# Altium PCB STM32MINI.PcbDoc (part 2 of 3)
Units mm, origin at the board's own origin, x right, y up, seen from the top; angles counter-clockwise.
Board outline 100.33 x 100 mm, 2 copper layers (Top Layer, Bottom Layer); 81 components, 96 nets, 408 pads, 94 vias.
Unrouted connection lines stored in the file: 4.
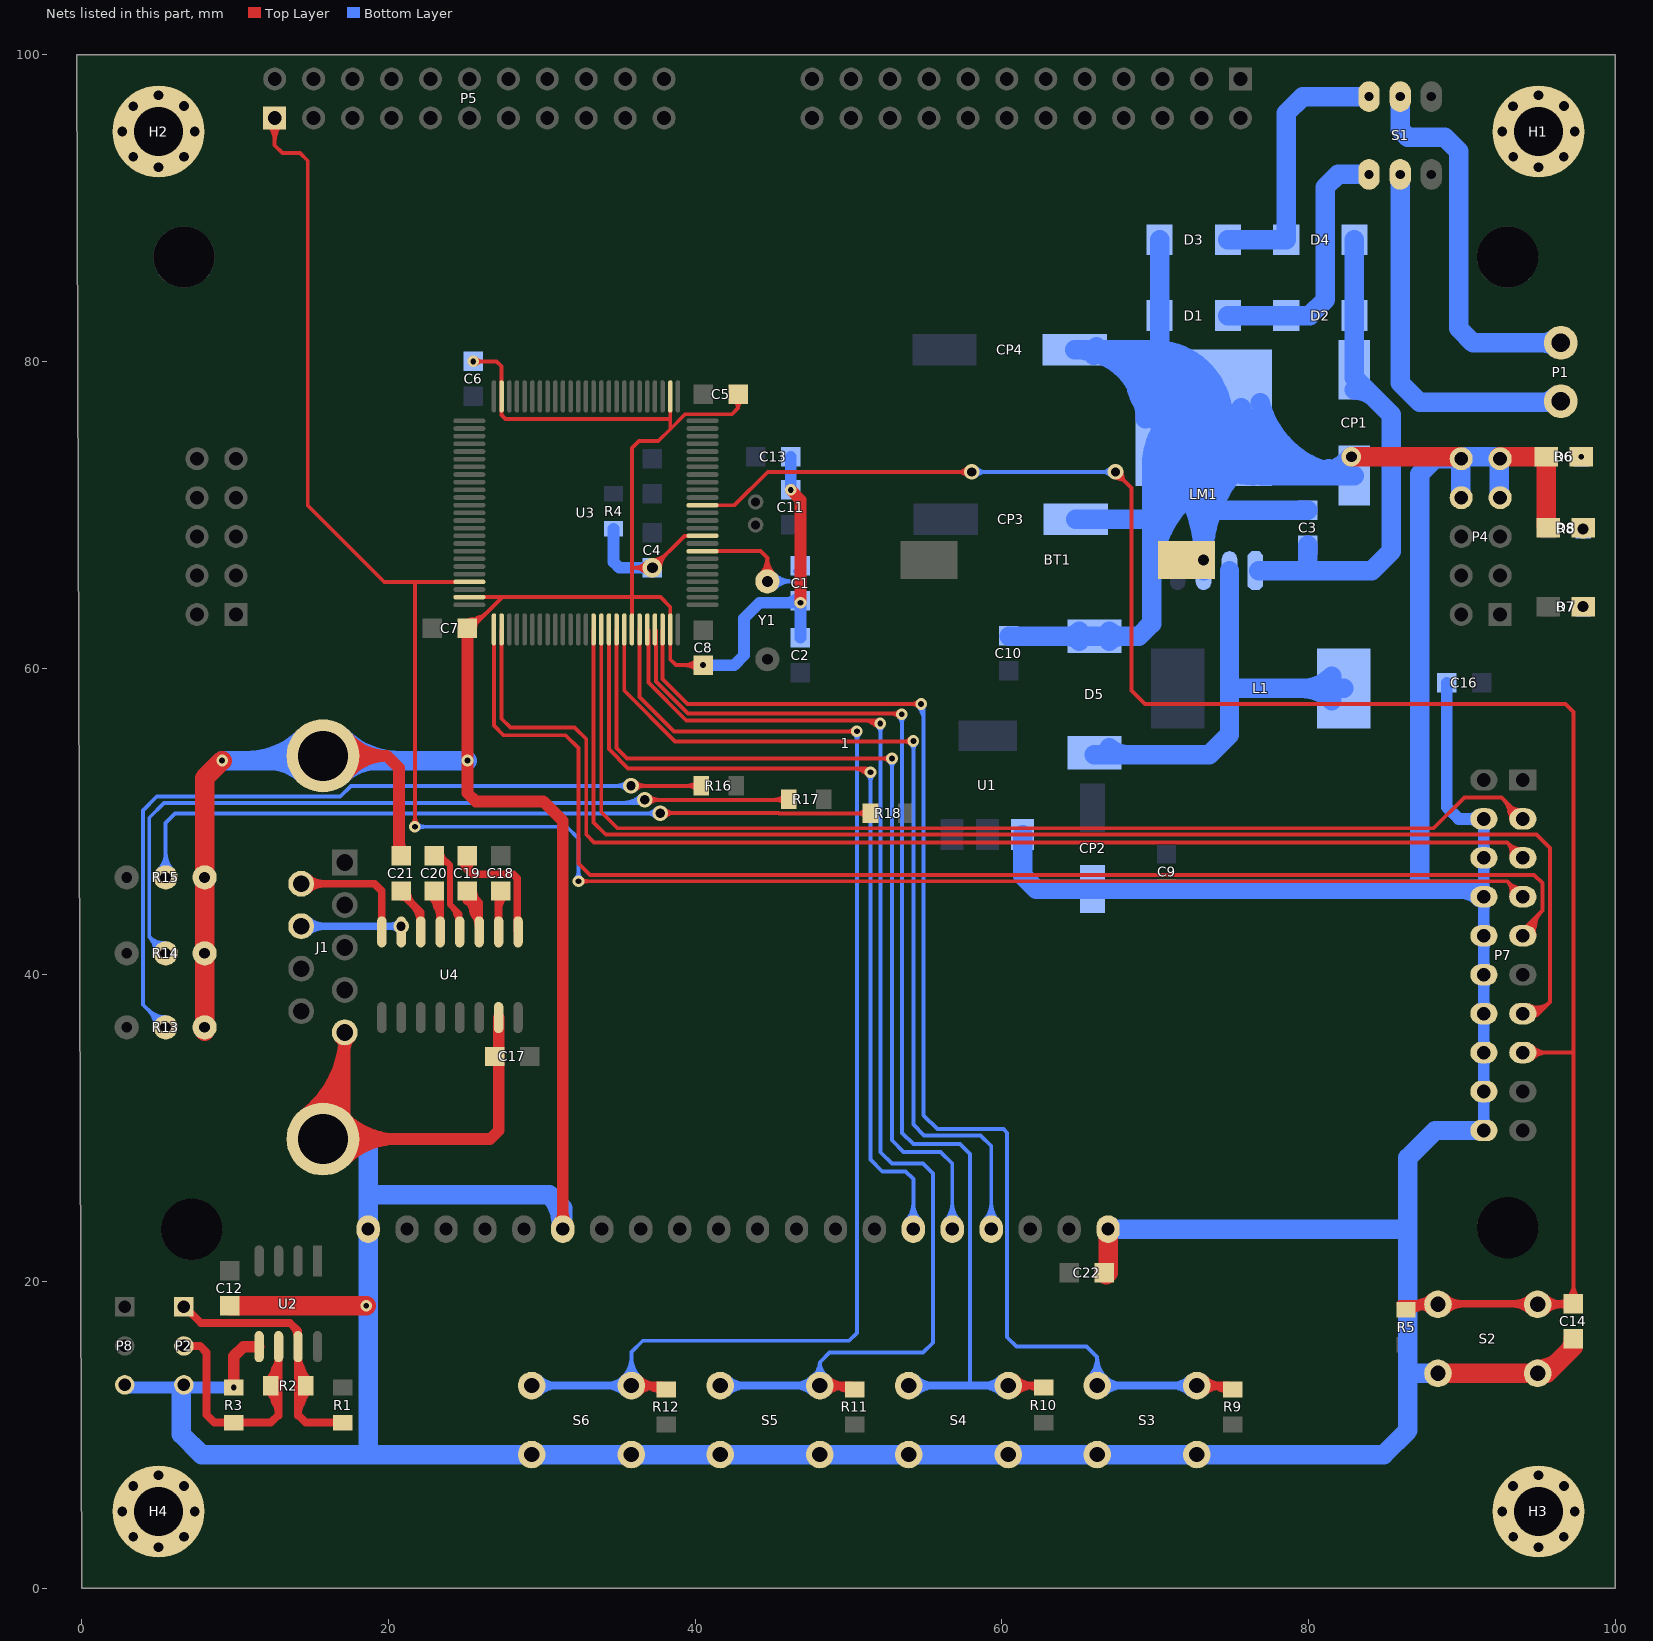
[diagram p2: the nets of this part, all layers, seen from the top]

## Via types
v1: diameter 0.762, hole 0.381, Top Layer to Bottom Layer, 38 vias
v2: diameter 0.635, hole 0.635, Top Layer to Bottom Layer, 32 vias
v3: diameter 1.016, hole 0.61, Top Layer to Bottom Layer, 15 vias
v4: diameter 1.27, hole 0.711, Top Layer to Bottom Layer, 9 vias

## Nets (pads, with @x,y where several pads share a name; then routed paths per layer and width w, separated by ;. In a path a pad name is that pad's centre, name@x,y a point inside that pad or via, vN(x,y) a via of type N, cw(c..) or ccw(c..) an arc to the next point about the centre after c; other vN are vias at no path point) (continued)
GND: 1.1 1.15 1.20 BT1.2 C1.1 C2.1 C3.2 C4.2 C5.2 C6.2 C7.2 C8.2 C9.2 C10.2 C11.1 C12.2 C13.1 C14.1 C16.2 C17.1 C21.2 C22.1 CP1.2 CP2.2 CP3.2 CP4.2 D1.1 D3.1 D5.1 D6.2 D8.2 H1.0 H2.0 H3.0 H4.0 J1.5 J1.10 J1.11 LM1.3 LM1.5 P2.3 P4.7 P4.8 P4.9 P4.10 P7.4 P7.6 P7.8 P7.10 P7.12 P7.14 P7.16 P7.18 P7.20 P8.3 R3.1 R4.2 R13.3 R14.3 R15.3 S2.2 S3.2 S4.2 S5.2 S6.2 U1.1 U2.5 U3.10 U3.27 U3.49 U3.74 U3.94 U3.99 U4.15 | length 1058.9
  Top Layer w0.254: U2.5@11.532,15.748 U2.5@11.557,15.748 ; C7.2@24.908,62.699 cw(c25.673,62.415) C7.2@25.462,63.204 ; U3.74@25.273,64.628 27.373,64.628 ; v1(25.527,80.01) 27.051,80.01 27.373,79.688 U3.49@27.373,77.728 27.373,76.513 27.627,76.259 38.373,76.259 ; 25.937,63.331 ccw(c26.238,62.206) C7.2@25.146,62.611 25.4,62.611 27.373,64.584 27.373,64.628 ; U3.94@35.873,62.528 35.873,64.628 ; 37.851,67.227 ccw(c38.081,66.37) v4(37.211,66.548) ; 37.89,67.188 cw(c37.033,67.418) v4(37.211,66.548) ; U3.27@38.373,77.728 38.373,76.259 ; U3.10@40.473,68.628 39.291,68.628 v4(37.211,66.548) ; v1(40.513,60.198) 38.735,60.198 38.373,60.56 U3.99@38.373,62.528 38.373,63.989 37.734,64.628 35.873,64.628 ; C5.2@42.799,77.851 42.799,76.962 ; 26.14,80.01 cw(c26.14,80.623) 25.707,80.19 ccw(c26.14,80.623) 26.14,80.01 ; 26.14,80.01 ccw(c26.14,79.397) 25.707,79.83 cw(c26.14,79.397) 26.14,80.01 ; 27.373,64.628 35.873,64.628 ; 35.873,64.628 35.873,66.548 ; 35.873,66.548 35.873,74.354 36.322,74.803 37.592,74.803 38.373,75.584 ; 35.873,66.548 v4(37.211,66.548) ; 35.985,66.548 cw(c35.985,65.322) 36.852,66.189 ccw(c35.985,65.322) 35.985,66.548 ; 35.985,66.548 ccw(c35.985,67.774) 36.852,66.907 cw(c35.985,67.774) 35.985,66.548 ; 38.078,67.415 cw(c37.211,68.282) 37.211,67.056 ccw(c37.211,68.282) 38.078,67.415 ; 38.078,67.415 ccw(c38.945,66.548) 37.719,66.548 cw(c38.945,66.548) 38.078,67.415 ; 38.373,75.584 38.373,76.259 ; 38.373,75.584 39.346,76.557 42.394,76.557 42.799,76.962 ; 39.287,60.198 cw(c39.287,58.972) 40.154,59.839 ccw(c39.287,58.972) 39.287,60.198 ; 39.287,60.198 ccw(c39.287,61.424) 40.154,60.557 cw(c39.287,61.424) 39.287,60.198 ; C8.2@39.9,60.198 cw(c39.9,59.585) 40.333,60.018 ccw(c39.9,59.585) C8.2@39.9,60.198 ; C8.2@39.9,60.198 ccw(c39.9,60.811) 40.333,60.378 cw(c39.9,60.811) C8.2@39.9,60.198 ; 42.799,76.962 cw(c43.323,76.962) 43.057,77.413 ccw(c43.323,76.962) 42.799,76.962 ; 42.799,76.962 ccw(c42.275,76.962) 42.541,77.413 cw(c42.275,76.962) 42.799,76.962 ; C7.2@25.146,62.865 ccw(c25.146,64.091) 26.013,63.224 cw(c25.146,64.091) C7.2@25.146,62.865 ; C7.2@25.146,63.119 ccw(c25.146,64.959) 26.447,63.658 cw(c25.146,64.959) C7.2@25.146,63.119 ; C7.2@25.654,62.611 cw(c26.267,62.611) 25.834,63.045 ccw(c26.267,62.611) C7.2@25.654,62.611
  Top Layer w0.762: v1(9.906,13.081) 9.906,15.113 10.541,15.748 U2.5@11.532,15.748 ; J1.11@14.502,30.871 ccw(c10.359,36.243) J1.5@17.143,36.243 ; J1.11@14.968,30.268 ccw(c11.555,34.693) 17.143,34.693 ; J1.11@15.433,29.664 ccw(c12.75,33.143) 17.143,33.143 ; J1.10@15.723,54.278 19.89,54.278 ; J1.11@15.898,29.061 ccw(c13.946,31.593) 17.143,31.593 ; J1.11@16.598,28.413 cw(c18.709,26.302) 18.709,29.288 cw(c18.709,32.274) J1.11@16.598,30.163 ; J1.5@16.815,35.915 cw(c16.023,35.123) 17.143,35.123 cw(c18.263,35.123) J1.5@17.471,35.915 ; J1.11@17.137,27.874 cw(c20.549,24.462) 20.549,29.288 cw(c20.549,34.114) J1.11@17.137,30.702 ; J1.5@17.143,36.243 17.143,29.735 J1.11@17.151,29.727 ; J1.11@17.151,29.288 26.621,29.288 27.178,29.845 27.178,34.925 U4.15@27.178,37.211 ; C21.2@20.828,47.752 20.676,47.904 20.676,53.492 19.89,54.278 ; C7.2@25.146,62.611 v1(25.146,53.975) 25.146,51.841 25.679,51.308 30.099,51.308 31.366,50.041 1.15@31.366,23.412 ; v1(46.228,71.628) 46.863,70.993 v1(46.863,64.262) ; 18.301,54.278 cw(c18.301,56.347) 16.688,55.052 ccw(c18.301,56.347) 18.301,54.278 ; 18.301,54.278 ccw(c18.301,52.209) 16.688,53.504 cw(c18.301,52.209) 18.301,54.278 ; 19.89,54.278 cw(c19.89,57.621) 17.282,55.529 ccw(c19.89,57.621) 19.89,54.278 ; 19.89,54.278 ccw(c19.89,50.935) 17.282,53.027 cw(c19.89,50.935) 19.89,54.278 ; 31.366,24.47 cw(c30.446,24.47) 31.097,23.819 ccw(c30.446,24.47) 31.366,24.47 ; 31.366,24.47 ccw(c32.286,24.47) 31.636,23.819 cw(c32.286,24.47) 31.366,24.47 ; 20.676,48.733 ccw(c21.809,48.733) 21.008,47.932 cw(c21.809,48.733) 20.676,48.733
  Top Layer w1.27: R13.3@8.001,36.322 R13.3@8.001,36.576 R14.3@8.001,41.402 R15.3@8.001,46.355 8.001,52.832 v1(9.144,53.975) ; C12.2@9.652,18.415 v1(18.542,18.415) ; C22.1@66.802,20.447 66.926,20.571 1.1@66.926,23.412 ; v4(82.804,73.787) P4.10@89.916,73.787 ; S2.2@88.444,14.006 S2.2@94.944,14.006 95.54,14.006 C14.1@97.282,15.748 ; P4.9@92.456,73.787 D6.2@95.504,73.787 95.504,69.278 D8.2@95.631,69.151 ; S2.2@95.173,13.874 cw(c96.484,13.117) 96.093,14.579 ; C22.1@66.675,20.574 ccw(c66.069,21.18) 66.926,21.18 cw(c66.069,21.18) C22.1@66.675,20.574 ; S2.2@94.944,14.271 ccw(c94.944,16.35) 96.414,14.88 cw(c94.944,16.35) S2.2@94.944,14.271 ; 96.923,15.389 ccw(c96.056,16.256) C14.1@97.282,16.256 cw(c96.056,16.256) 96.923,15.389
  Bottom Layer w0.762: P8.3@2.667,13.081 6.477,13.081 v1(9.906,13.081) ; J1.10@15.723,54.278 J1.10@16.026,53.975 ; R4.2@34.671,69.088 34.671,66.929 35.052,66.548 v4(37.211,66.548) ; v1(40.513,60.198) 42.545,60.198 43.18,60.833 43.18,63.246 44.196,64.262 v1(46.863,64.262) C2.1@46.863,61.976 ; v1(46.228,71.628) C13.1@46.228,73.787 ; C16.2@89.027,59.055 89.027,50.927 89.789,50.165 P7.4@91.44,50.165 P7.6@91.44,47.625 P7.8@91.44,45.085 P7.10@91.44,42.545 P7.12@91.44,40.005 P7.14@91.44,37.465 P7.16@91.44,34.925 P7.18@91.44,32.385 P7.20@91.44,29.845 ; 90.483,50.165 cw(c90.483,49.398) 91.025,49.94 ccw(c90.483,49.398) 90.483,50.165 ; 90.483,50.165 ccw(c90.483,50.932) 91.025,50.39 cw(c90.483,50.932) 90.483,50.165 ; 91.44,30.612 cw(c90.673,30.612) 91.215,30.07 ccw(c90.673,30.612) 91.44,30.612 ; 91.44,30.612 ccw(c92.207,30.612) 91.665,30.07 cw(c92.207,30.612) 91.44,30.612 ; 91.44,31.618 cw(c92.207,31.618) 91.665,32.16 ccw(c92.207,31.618) 91.44,31.618 ; 91.44,31.618 ccw(c90.673,31.618) 91.215,32.16 cw(c90.673,31.618) 91.44,31.618 ; 91.44,33.152 cw(c90.673,33.152) 91.215,32.61 ccw(c90.673,33.152) 91.44,33.152 ; 91.44,33.152 ccw(c92.207,33.152) 91.665,32.61 cw(c92.207,33.152) 91.44,33.152 ; 91.44,34.158 cw(c92.207,34.158) 91.665,34.7 ccw(c92.207,34.158) 91.44,34.158 ; 91.44,34.158 ccw(c90.673,34.158) 91.215,34.7 cw(c90.673,34.158) 91.44,34.158 ; 91.44,35.692 cw(c90.673,35.692) 91.215,35.15 ccw(c90.673,35.692) 91.44,35.692 ; 91.44,35.692 ccw(c92.207,35.692) 91.665,35.15 cw(c92.207,35.692) 91.44,35.692 ; 91.44,36.698 cw(c92.207,36.698) 91.665,37.24 ccw(c92.207,36.698) 91.44,36.698 ; 91.44,36.698 ccw(c90.673,36.698) 91.215,37.24 cw(c90.673,36.698) 91.44,36.698 ; 91.44,38.232 cw(c90.673,38.232) 91.215,37.69 ccw(c90.673,38.232) 91.44,38.232 ; 91.44,38.232 ccw(c92.207,38.232) 91.665,37.69 cw(c92.207,38.232) 91.44,38.232 ; 91.44,39.238 cw(c92.207,39.238) 91.665,39.78 ccw(c92.207,39.238) 91.44,39.238 ; 91.44,39.238 ccw(c90.673,39.238) 91.215,39.78 cw(c90.673,39.238) 91.44,39.238 ; 91.44,40.772 cw(c90.673,40.772) 91.215,40.23 ccw(c90.673,40.772) 91.44,40.772 ; 91.44,40.772 ccw(c92.207,40.772) 91.665,40.23 cw(c92.207,40.772) 91.44,40.772 ; 91.44,41.778 cw(c92.207,41.778) 91.665,42.32 ccw(c92.207,41.778) 91.44,41.778 ; 91.44,41.778 ccw(c90.673,41.778) 91.215,42.32 cw(c90.673,41.778) 91.44,41.778 ; 91.44,43.312 cw(c90.673,43.312) 91.215,42.77 ccw(c90.673,43.312) 91.44,43.312 ; 91.44,43.312 ccw(c92.207,43.312) 91.665,42.77 cw(c92.207,43.312) 91.44,43.312 ; 91.44,44.318 cw(c92.207,44.318) 91.665,44.86 ccw(c92.207,44.318) 91.44,44.318 ; 91.44,44.318 ccw(c90.673,44.318) 91.215,44.86 cw(c90.673,44.318) 91.44,44.318 ; 91.44,45.852 cw(c90.673,45.852) 91.215,45.31 ccw(c90.673,45.852) 91.44,45.852 ; 91.44,45.852 ccw(c92.207,45.852) 91.665,45.31 cw(c92.207,45.852) 91.44,45.852 ; 91.44,46.858 cw(c92.207,46.858) 91.665,47.4 ccw(c92.207,46.858) 91.44,46.858 ; 91.44,46.858 ccw(c90.673,46.858) 91.215,47.4 cw(c90.673,46.858) 91.44,46.858 ; 91.44,48.392 cw(c90.673,48.392) 91.215,47.85 ccw(c90.673,48.392) 91.44,48.392 ; 91.44,48.392 ccw(c92.207,48.392) 91.665,47.85 cw(c92.207,48.392) 91.44,48.392 ; 91.44,49.398 cw(c92.207,49.398) 91.665,49.94 ccw(c92.207,49.398) 91.44,49.398 ; 91.44,49.398 ccw(c90.673,49.398) 91.215,49.94 cw(c90.673,49.398) 91.44,49.398 ; 45.943,64.262 ccw(c45.943,65.309) 46.683,64.569 cw(c45.943,65.309) 45.943,64.262
  Bottom Layer w1.27: P2.3@6.477,13.064 6.477,10.033 7.802,8.708 S6.2@29.337,8.708 S6.2@35.837,8.708 S5.2@41.631,8.708 S5.2@48.131,8.708 S4.2@53.924,8.708 S4.2@60.424,8.708 S3.2@66.218,8.708 S3.2@72.718,8.708 84.908,8.708 86.487,10.287 86.487,23.749 ; v1(9.144,53.975) 15.42,53.975 J1.10@15.723,54.278 ; J1.11@15.723,29.288 18.363,29.288 ; J1.10@16.026,53.975 v1(25.146,53.975) ; 18.666,8.711 1.20@18.666,23.412 18.666,25.654 ; 18.666,28.985 18.666,25.654 ; 1.15@31.366,23.412 31.366,24.768 30.48,25.654 ; C10.2@60.472,62.083 D5.1@66.04,62.083 68.941,62.083 69.767,62.909 LM1.5@69.767,66.359 LM1.3@69.767,72.936 ; U1.1@61.355,49.149 61.355,46.468 62.23,45.593 CP2.2@65.913,45.593 C9.2@70.739,45.593 86.995,45.593 ; CP3.2@64.829,69.723 69.64,69.723 ; CP4.2@66.005,80.421 cw(c66.333,79.742) 66.866,80.275 ; 1.1@66.926,23.412 86.15,23.412 86.487,23.749 ; LM1.3@68.808,78.165 ccw(c72.94,79.356) LM1.3@73.26,75.068 ; D3.1@70.293,87.949 D1.1@70.293,82.996 70.293,80.772 CP4.2@64.761,80.772 ; LM1.3@73.154,66.359 73.154,76.323 LM1.3@73.166,76.334 ; 73.216,70.296 C3.2@79.945,70.296 ; CP1.2@82.993,72.561 76.939,72.561 LM1.3@73.166,76.334 ; 86.904,14.006 S2.2@88.444,14.006 ; P4.8@89.916,71.247 P4.10@89.916,73.66 ; P4.10@89.96,73.66 P4.10@89.916,73.66 ; P7.8@90.932,45.593 86.995,45.593 ; P7.20@91.44,29.845 88.265,29.845 86.487,28.067 86.487,23.749 ; P4.7@92.456,71.247 92.456,73.787 89.916,73.787 P4.10@89.916,73.66 ; 18.363,29.288 cw(c18.363,30.413) 17.328,29.972 ccw(c18.363,30.413) 18.363,29.288 ; 18.363,29.288 ccw(c18.363,28.163) 17.328,28.604 cw(c18.363,28.163) 18.363,29.288 ; 18.666,25.654 30.48,25.654 ; 30.48,25.654 cw(c28.621,23.795) 31.24,23.561 ccw(c28.621,23.795) 30.48,25.654 ; 64.267,62.083 cw(c64.267,60.96) 65.061,61.754 ccw(c64.267,60.96) 64.267,62.083 ; 64.267,62.083 ccw(c64.267,63.206) 65.061,62.412 cw(c64.267,63.206) 64.267,62.083 ; CP4.2@64.761,80.772 cw(c64.761,76.176) 69.356,76.262 ccw(c64.761,76.176) CP4.2@64.761,80.772 ; CP4.2@66.031,80.434 cw(c66.599,79.451) 66.893,80.548 ; CP4.2@66.031,80.434 cw(c66.599,79.451) 66.893,80.548 ; CP4.2@66.031,80.434 cw(c66.599,79.451) 66.893,80.548 ; CP4.2@66.174,80.967 ccw(c67.812,81.913) 67.322,80.086 ; CP4.2@66.174,80.967 ccw(c67.812,81.913) 67.322,80.086 ; CP4.2@66.174,80.967 ccw(c67.812,81.913) 67.322,80.086 ; 67.813,62.083 cw(c67.813,63.206) 67.019,62.412 ccw(c67.813,63.206) 67.813,62.083 ; 67.813,62.083 ccw(c67.813,60.96) 67.019,61.754 cw(c67.813,60.96) 67.813,62.083 ; LM1.5@69.831,67.011 ccw(c69.399,67.759) 70.233,67.536 ; LM1.5@69.831,67.011 ccw(c69.399,67.759) 70.233,67.536 ; LM1.5@69.831,67.011 ccw(c69.399,67.759) 70.233,67.536 ; LM1.3@73.166,76.334 ccw(c68.644,76.249) 68.644,80.772 cw(c68.644,76.249) LM1.3@73.166,76.334 ; LM1.3@73.166,76.334 ccw(c78.055,77.616) 78.055,72.561 cw(c78.055,77.616) LM1.3@73.166,76.334 ; LM1.3@73.166,76.334 ccw(c75.098,71.366) 69.767,71.366 cw(c75.098,71.366) LM1.3@73.166,76.334 ; 81.313,73.011 ccw(c81.605,74.1) CP1.2@82.636,73.644 ; 81.313,73.011 ccw(c81.605,74.1) CP1.2@82.636,73.644 ; 81.313,73.011 ccw(c81.605,74.1) CP1.2@82.636,73.644 ; 86.995,45.593 87.249,45.847 87.249,72.644 88.265,73.66 P4.10@89.916,73.66 ; 10.779,53.975 ccw(c10.779,59.222) 14.489,55.512 cw(c10.779,59.222) 10.779,53.975 ; 12.242,53.975 cw(c12.242,50.797) 14.489,53.044 ccw(c12.242,50.797) 12.242,53.975 ; J1.10@16.957,53.044 cw(c19.204,50.797) 19.204,53.975 ccw(c19.204,50.797) J1.10@16.957,53.044 ; J1.10@16.957,55.512 ccw(c20.667,59.222) 20.667,53.975 cw(c20.667,59.222) J1.10@16.957,55.512 ; CP4.2@66.055,80.772 cw(c66.055,76.2) 70.626,76.286 ccw(c66.055,76.2) CP4.2@66.055,80.772 ; 67.349,80.772 cw(c67.349,76.225) 71.896,76.31 ccw(c67.349,76.225) 67.349,80.772 ; LM1.5@69.767,65.797 cw(c77.264,65.797) 74.547,72.783 ccw(c77.264,65.797) LM1.5@69.767,65.797 ; 69.767,67.653 cw(c76.542,67.653) 74.086,73.967 ccw(c76.542,67.653) 69.767,67.653 ; 69.767,69.51 cw(c75.82,69.51) 73.626,75.151 ccw(c75.82,69.51) 69.767,69.51 ; LM1.3@69.767,73.223 cw(c74.376,73.223) 72.705,77.518 ccw(c74.376,73.223) LM1.3@69.767,73.223 ; LM1.3@69.938,80.772 cw(c69.938,76.273) 74.436,76.358 ccw(c69.938,76.273) LM1.3@69.938,80.772 ; LM1.3@70.472,73.64 cw(c63.996,67.164) 73.154,67.164 ccw(c63.996,67.164) LM1.3@70.472,73.64 ; LM1.3@71.37,74.538 cw(c67.062,70.23) 73.154,70.23 ccw(c67.062,70.23) LM1.3@71.37,74.538 ; LM1.3@71.937,76.012 ccw(c76.409,77.184) 76.409,72.561 cw(c76.409,77.184) LM1.3@71.937,76.012 ; LM1.3@73.154,67.108 cw(c82.392,67.108) 75.86,73.64 ccw(c82.392,67.108) LM1.3@73.154,67.108 ; 73.154,70.174 cw(c79.326,70.174) 74.962,74.538 ccw(c79.326,70.174) 73.154,70.174 ; LM1.3@74.394,76.656 ccw(c79.701,78.047) 79.701,72.561 cw(c79.701,78.047) LM1.3@74.394,76.656 ; LM1.3@75.623,76.978 ccw(c81.347,78.478) 81.347,72.561 cw(c81.347,78.478) LM1.3@75.623,76.978 ; LM1.3@76.851,77.3 ccw(c82.992,78.91) CP1.2@82.993,72.561 cw(c82.992,78.91) LM1.3@76.851,77.3 ; 79.845,72.561 ccw(c79.845,76.746) v4(82.804,73.787) cw(c79.845,76.746) 79.845,72.561 ; 89.87,45.593 cw(c89.87,43.705) 91.205,45.04 ccw(c89.87,43.705) 89.87,45.593
  other v2: 5,2.663 95,2.663 3.351,3.351 6.651,3.349 93.351,3.351 96.651,3.349 2.638,5 7.362,5 92.638,5 97.362,5 3.344,6.656 6.662,6.662 93.344,6.656 96.662,6.662 5,7.362 95,7.362 5,92.663 95,92.663 3.351,93.351 6.651,93.349 93.351,93.351 96.651,93.349 2.638,95 7.362,95 92.638,95 97.362,95 3.344,96.656 93.344,96.656 6.662,96.662 96.662,96.662 5,97.362 95,97.362
  other v4: 73.152,67.056
JTAG_DI: P7.5 U3.77 | length 85.5
  Top Layer w0.254: U3.77@27.373,62.528 27.373,56.701 27.94,56.134 32.131,56.134 32.893,55.372 32.893,49.149 33.401,48.641 92.964,48.641 ; 93.441,48.29 cw(c93.253,47.586) P7.5@93.979,47.639 ; P7.5@93.98,47.625 92.964,48.641 ; 92.964,48.641 cw(c92.27,47.947) 93.23,47.743 ccw(c92.27,47.947) 92.964,48.641 ; 93.139,48.466 ccw(c93.79,49.116) 93.79,48.197 cw(c93.79,49.116) 93.139,48.466 ; 93.295,48.31 cw(c92.816,47.831) 93.479,47.691 ccw(c92.816,47.831) 93.295,48.31
JTAG_JSM/SWDIO: P5.1 P7.7 U3.72 | length 152.1
  Top Layer w0.254: P5.1@12.573,95.885 12.573,94.107 13.081,93.599 14.224,93.599 14.732,93.091 14.732,70.612 19.716,65.628 21.717,65.628 ; v1(21.717,49.657) 21.717,65.628 ; U3.72@25.273,65.628 21.717,65.628 ; v1(32.385,46.101) 92.964,46.101 ; 93.441,45.75 cw(c93.253,45.046) P7.7@93.979,45.099 ; P7.7@93.98,45.085 92.964,46.101 ; 12.573,94.381 cw(c14.077,94.381) 13.014,95.444 ccw(c14.077,94.381) 12.573,94.381 ; 12.573,94.381 ccw(c11.069,94.381) 12.132,95.444 cw(c11.069,94.381) 12.573,94.381 ; 12.573,94.994 cw(c13.464,94.994) 12.834,95.624 ccw(c13.464,94.994) 12.573,94.994 ; 12.573,94.994 ccw(c11.682,94.994) 12.312,95.624 cw(c11.682,94.994) 12.573,94.994 ; 21.717,50.27 cw(c21.104,50.27) 21.537,49.837 ccw(c21.104,50.27) 21.717,50.27 ; 21.717,50.27 ccw(c22.33,50.27) 21.897,49.837 cw(c22.33,50.27) 21.717,50.27 ; 32.998,46.101 cw(c32.998,46.714) 32.565,46.281 ccw(c32.998,46.714) 32.998,46.101 ; 32.998,46.101 ccw(c32.998,45.488) 32.565,45.921 cw(c32.998,45.488) 32.998,46.101 ; 92.964,46.101 cw(c92.27,45.407) 93.23,45.203 ccw(c92.27,45.407) 92.964,46.101 ; 93.139,45.926 ccw(c93.79,46.576) 93.79,45.657 cw(c93.79,46.576) 93.139,45.926 ; 93.295,45.77 cw(c92.816,45.291) 93.479,45.151 ccw(c92.816,45.291) 93.295,45.77
  Bottom Layer w0.254: v1(21.717,49.657) 31.623,49.657 32.385,48.895 v1(32.385,46.101) ; 22.33,49.657 cw(c22.33,50.27) 21.897,49.837 ccw(c22.33,50.27) 22.33,49.657 ; 22.33,49.657 ccw(c22.33,49.044) 21.897,49.477 cw(c22.33,49.044) 22.33,49.657 ; 32.385,46.714 cw(c31.772,46.714) 32.205,46.281 ccw(c31.772,46.714) 32.385,46.714 ; 32.385,46.714 ccw(c32.998,46.714) 32.565,46.281 cw(c32.998,46.714) 32.385,46.714
JTAG_JTCK/SWCLK: P7.9 U3.76 | length 97.8
  Top Layer w0.254: U3.76@26.873,62.528 26.873,56.261 27.508,55.626 31.547,55.626 32.385,54.788 32.385,47.269 33.147,46.507 94.717,46.507 95.25,45.974 95.25,44.196 ; P7.9@93.98,42.545 93.98,42.926 95.25,44.196 ; P7.9@94.131,42.595 ccw(c93.382,43.533) 94.575,43.399 ; P7.9@94.289,42.396 ccw(c93.4,43.509) 94.816,43.351 ; 94.546,43.146 ccw(c94.877,43.109) P7.9@94.617,42.902 ; 95.25,44.196 ccw(c96.542,42.904) 94.736,42.631 cw(c96.542,42.904) 95.25,44.196 ; P7.9@94.233,42.555 cw(c95.307,42.717) 94.539,43.485 ccw(c95.307,42.717) P7.9@94.233,42.555 ; P7.9@94.484,42.593 cw(c95.924,42.811) 94.895,43.841 ccw(c95.924,42.811) P7.9@94.484,42.593
JTAG_JTDO: P7.13 U3.89 | length 99
  Top Layer w0.254: U3.89@33.373,62.528 33.373,49.939 34.163,49.149 94.869,49.149 95.758,48.26 95.758,38.227 ; P7.13@93.98,37.465 94.996,37.465 ; 94.996,37.465 cw(c94.996,37.775) 94.705,37.666 ccw(c94.996,37.775) 94.996,37.465 ; 94.996,37.465 ccw(c94.996,37.155) 94.705,37.264 cw(c94.996,37.155) 94.996,37.465 ; 94.996,37.465 95.758,38.227 ; 95.758,38.227 cw(c94.909,39.076) 94.409,37.985 ccw(c94.909,39.076) 95.758,38.227 ; P7.13@94.091,37.292 ccw(c94.422,38.013) 94.983,37.452 cw(c94.422,38.013) P7.13@94.091,37.292 ; P7.13@94.197,37.523 ccw(c94.584,38.368) 95.241,37.71 cw(c94.584,38.368) P7.13@94.197,37.523 ; P7.13@94.303,37.754 ccw(c94.747,38.722) 95.5,37.969 cw(c94.747,38.722) P7.13@94.303,37.754
JTAG_NJTRST: P7.3 U3.90 | length 83.5
  Top Layer w0.254: U3.90@33.873,62.528 33.873,50.607 34.925,49.555 88.163,49.555 90.17,51.562 92.583,51.562 P7.3@93.98,50.165 ; 92.965,51.11 ccw(c94.196,51.44) P7.3@93.809,50.225 ; 93.085,50.661 ccw(c94.028,50.914) P7.3@93.732,49.984 ; P7.3@93.295,50.451 ccw(c93.006,50.617) 93.328,50.703 ; 93.441,50.83 cw(c93.253,50.126) P7.3@93.979,50.179 ; 92.679,51.466 cw(c91.378,50.165) 93.218,50.165 ccw(c91.378,50.165) 92.679,51.466 ; 93.113,51.032 cw(c92.246,50.165) 93.472,50.165 ccw(c92.246,50.165) 93.113,51.032 ; 93.139,51.006 ccw(c93.79,51.656) 93.79,50.736 cw(c93.79,51.656) 93.139,51.006
KEY_BACK: R12.1 S6.1 U3.95 | length 115.9
  Top Layer w0.254: U3.95@36.373,62.528 36.373,58.115 38.608,55.88 v1(50.546,55.88) ; 49.933,55.88 cw(c49.933,55.267) 50.366,55.7 ccw(c49.933,55.267) 49.933,55.88 ; 49.933,55.88 ccw(c49.933,56.493) 50.366,56.06 cw(c49.933,56.493) 49.933,55.88
  Top Layer w0.508: S6.1@35.837,13.208 R12.1@37.846,13.208 ; 37.252,13.087 ccw(c37.489,13.496) R12.1@37.804,13.143 ; 37.397,13.208 cw(c37.397,14.768) 36.294,13.665 ccw(c37.397,14.768) 37.397,13.208 ; 37.397,13.208 ccw(c37.397,11.648) 36.294,12.751 cw(c37.397,11.648) 37.397,13.208 ; 36.747,13.208 cw(c36.747,11.728) 37.793,12.774 ccw(c36.747,11.728) 36.747,13.208
  Bottom Layer w0.254: S6.1@35.837,13.208 35.837,15.39 36.576,16.129 50.038,16.129 50.546,16.637 v1(50.546,55.88) ; 35.837,14.461 cw(c34.584,14.461) 35.47,13.575 ccw(c34.584,14.461) 35.837,14.461 ; 35.837,14.461 ccw(c37.09,14.461) 36.204,13.575 cw(c37.09,14.461) 35.837,14.461 ; 35.837,15.074 cw(c33.971,15.074) 35.29,13.755 ccw(c33.971,15.074) 35.837,15.074 ; 35.837,15.074 ccw(c37.703,15.074) 36.384,13.755 cw(c37.703,15.074) 35.837,15.074 ; 50.546,55.267 cw(c51.159,55.267) 50.726,55.7 ccw(c51.159,55.267) 50.546,55.267 ; 50.546,55.267 ccw(c49.933,55.267) 50.366,55.7 cw(c49.933,55.267) 50.546,55.267
  Bottom Layer w0.508: S6.1@29.337,13.208 S6.1@35.837,13.208 ; 30.897,13.208 cw(c30.897,14.768) 29.794,13.665 ccw(c30.897,14.768) 30.897,13.208 ; 30.897,13.208 ccw(c30.897,11.648) 29.794,12.751 cw(c30.897,11.648) 30.897,13.208 ; 34.277,13.208 cw(c34.277,11.648) 35.38,12.751 ccw(c34.277,11.648) 34.277,13.208 ; 34.277,13.208 ccw(c34.277,14.768) 35.38,13.665 cw(c34.277,14.768) 34.277,13.208
KEY_DOWN: R11.1 S5.1 U3.96 | length 111.5
  Top Layer w0.254: U3.96@36.873,62.528 36.944,62.457 36.944,59.062 39.414,56.591 v1@51.943,56.591 ; 51.427,56.476 ccw(c51.606,56.785) v1@51.877,56.553 ; 51.692,56.323 ccw(c51.842,56.583) v1(52.07,56.388) ; v1(52.07,56.388) ccw(c51.579,55.897) 51.579,56.591 cw(c51.579,55.897) v1(52.07,56.388) ; U3.96@36.857,61.612 cw(c36.647,61.402) 36.944,61.402 ccw(c36.647,61.402) U3.96@36.857,61.612 ; 50.966,56.591 cw(c50.966,55.284) 51.89,56.208 ccw(c50.966,55.284) 50.966,56.591
  Top Layer w0.508: S5.1@48.131,13.208 R11.1@50.165,13.208 ; 49.571,13.087 ccw(c49.808,13.496) R11.1@50.123,13.143 ; 49.69,13.208 cw(c49.69,14.768) 48.587,13.665 ccw(c49.69,14.768) 49.69,13.208 ; 49.69,13.208 ccw(c49.69,11.648) 48.587,12.751 cw(c49.69,11.648) 49.69,13.208 ; 49.066,13.208 cw(c49.066,11.728) 50.112,12.774 ccw(c49.066,11.728) 49.066,13.208
  Bottom Layer w0.254: S5.1@48.131,13.208 48.131,14.73 ; v1(52.07,56.388) 52.095,56.363 52.095,28.423 52.832,27.686 54.864,27.686 55.499,27.051 55.499,16.002 54.864,15.367 48.768,15.367 48.131,14.73 ; 48.131,14.23 cw(c47.385,14.23) 47.825,13.627 ccw(c47.385,14.23) 48.131,14.23 ; 48.131,14.23 ccw(c48.877,14.23) 48.437,13.627 cw(c48.877,14.23) 48.131,14.23 ; 48.131,14.73 cw(c47.02,14.73) 47.675,13.832 ccw(c47.02,14.73) 48.131,14.73 ; 48.131,14.73 ccw(c49.242,14.73) 48.587,13.832 cw(c49.242,14.73) 48.131,14.73 ; v1@51.89,56.208 cw(c51.395,55.713) 52.095,55.713 ccw(c51.395,55.713) v1@51.89,56.208 ; 52.095,55.836 cw(c52.622,55.836) 52.25,56.208 ccw(c52.622,55.836) 52.095,55.836
  Bottom Layer w0.508: S5.1@41.631,13.208 S5.1@48.131,13.208 ; 43.19,13.208 cw(c43.19,14.768) 42.087,13.665 ccw(c43.19,14.768) 43.19,13.208 ; 43.19,13.208 ccw(c43.19,11.648) 42.087,12.751 cw(c43.19,11.648) 43.19,13.208 ; 46.571,13.208 cw(c46.571,11.648) 47.674,12.751 ccw(c46.571,11.648) 46.571,13.208 ; 46.571,13.208 ccw(c46.571,14.768) 47.674,13.665 cw(c46.571,14.768) 46.571,13.208
KEY_SET: R9.1 S3.1 U3.98 | length 115.8
  Top Layer w0.254: U3.98@37.873,62.528 37.873,59.282 39.497,57.658 v1@54.483,57.658 ; 54.124,57.658 cw(c54.124,57.045) 54.557,57.478 ccw(c54.124,57.045) 54.124,57.658 ; 54.124,57.658 ccw(c54.124,58.271) 54.557,57.838 cw(c54.124,58.271) 54.124,57.658
  Top Layer w0.508: S3.1@72.718,13.208 R9.1@74.803,13.208 ; 74.209,13.087 ccw(c74.446,13.496) R9.1@74.761,13.143 ; 74.278,13.208 cw(c74.278,14.768) 73.175,13.665 ccw(c74.278,14.768) 74.278,13.208 ; 74.278,13.208 ccw(c74.278,11.648) 73.175,12.751 cw(c74.278,11.648) 74.278,13.208 ; 73.704,13.208 cw(c73.704,11.728) 74.75,12.774 ccw(c73.704,11.728) 73.704,13.208
  Bottom Layer w0.254: 54.78,57.093 cw(c55.002,57.221) v1@54.869,57.441 ; S3.1@66.218,13.208 66.218,15.062 ; v1(54.737,57.658) cw(c54.369,57.29) 54.889,57.29 ccw(c54.369,57.29) v1(54.737,57.658) ; v1(54.737,57.658) 54.889,57.506 54.889,30.836 55.791,29.934 60.109,29.934 60.348,29.695 60.348,16.36 60.96,15.748 65.532,15.748 66.218,15.062 ; 66.218,14.453 cw(c64.985,14.453) 65.853,13.577 ccw(c64.985,14.453) 66.218,14.453 ; 66.218,14.453 ccw(c67.451,14.453) 66.583,13.577 cw(c67.451,14.453) 66.218,14.453 ; 66.218,15.062 cw(c64.381,15.062) 65.674,13.757 ccw(c64.381,15.062) 66.218,15.062 ; 66.218,15.062 ccw(c68.055,15.062) 66.762,13.757 cw(c68.055,15.062) 66.218,15.062 ; v1@54.557,57.478 cw(c53.756,56.677) 54.889,56.677 ccw(c53.756,56.677) v1@54.557,57.478
  Bottom Layer w0.508: S3.1@66.218,13.208 S3.1@72.718,13.208 ; 67.778,13.208 cw(c67.778,14.768) 66.675,13.665 ccw(c67.778,14.768) 67.778,13.208 ; 67.778,13.208 ccw(c67.778,11.648) 66.675,12.751 cw(c67.778,11.648) 67.778,13.208 ; 71.158,13.208 cw(c71.158,11.648) 72.261,12.751 ccw(c71.158,11.648) 71.158,13.208 ; 71.158,13.208 ccw(c71.158,14.768) 72.261,13.665 cw(c71.158,14.768) 71.158,13.208
KEY_UP: R10.1 S4.1 U3.97 | length 97.1
  Top Layer w0.254: U3.97@37.373,62.528 37.444,62.457 37.444,59.137 39.532,57.048 53.416,57.048 v1(53.467,56.998) ; U3.97@37.357,61.612 cw(c37.147,61.402) 37.444,61.402 ccw(c37.147,61.402) U3.97@37.357,61.612 ; 52.731,57.048 cw(c52.731,56.262) 53.287,56.818 ccw(c52.731,56.262) 52.731,57.048 ; 52.976,57.048 ccw(c52.976,57.488) 53.287,57.177 cw(c52.976,57.488) 52.976,57.048
  Top Layer w0.508: S4.1@60.424,13.208 R10.1@62.611,13.208 ; 61.984,13.208 cw(c61.984,14.768) 60.881,13.665 ccw(c61.984,14.768) 61.984,13.208 ; 61.984,13.208 ccw(c61.984,11.648) 60.881,12.751 cw(c61.984,11.648) 61.984,13.208 ; 61.691,13.208 cw(c61.691,12.161) 62.431,12.901 ccw(c61.691,12.161) 61.691,13.208
  Bottom Layer w0.254: v1(53.467,56.998) 53.492,56.972 53.492,29.693 54.229,28.956 57.277,28.956 57.912,28.321 57.912,13.335 57.785,13.208 ; v1@53.287,56.818 cw(c52.792,56.323) 53.492,56.323 ccw(c52.792,56.323) v1@53.287,56.818 ; 53.492,56.446 cw(c54.019,56.446) 53.647,56.818 ccw(c54.019,56.446) 53.492,56.446
  Bottom Layer w0.508: S4.1@53.924,13.208 57.785,13.208 S4.1@60.424,13.208 ; 55.484,13.208 cw(c55.484,14.768) 54.381,13.665 ccw(c55.484,14.768) 55.484,13.208 ; 55.484,13.208 ccw(c55.484,11.648) 54.381,12.751 cw(c55.484,11.648) 55.484,13.208 ; 58.865,13.208 cw(c58.865,11.648) 59.968,12.751 ccw(c58.865,11.648) 58.865,13.208 ; 58.865,13.208 ccw(c58.865,14.768) 59.968,13.665 cw(c58.865,14.768) 58.865,13.208
LCD_CS: 1.4 U3.93 | length 71.9
  Top Layer w0.254: U3.93@35.373,62.528 35.373,58.54 38.694,55.22 54.204,55.22 v1(54.229,55.245) ; 53.554,55.22 ccw(c53.554,55.92) 54.049,55.425 cw(c53.554,55.92) 53.554,55.22 ; 53.677,55.22 cw(c53.677,54.693) 54.049,55.065 ccw(c53.677,54.693) 53.677,55.22
  Bottom Layer w0.254: v1(54.229,55.245) 54.229,30.226 54.928,29.527 58.611,29.527 59.306,28.832 1.4@59.306,23.412 ; 54.229,54.632 cw(c54.842,54.632) 54.409,55.065 ccw(c54.842,54.632) 54.229,54.632 ; 54.229,54.632 ccw(c53.616,54.632) 54.049,55.065 cw(c53.616,54.632) 54.229,54.632 ; 59.306,24.47 cw(c58.386,24.47) 59.037,23.819 ccw(c58.386,24.47) 59.306,24.47 ; 59.306,24.47 ccw(c60.226,24.47) 59.576,23.819 cw(c60.226,24.47) 59.306,24.47 ; 59.306,25.083 cw(c57.773,25.083) 58.857,23.999 ccw(c57.773,25.083) 59.306,25.083 ; 59.306,25.083 ccw(c60.839,25.083) 59.755,23.999 cw(c60.839,25.083) 59.306,25.083
LCD_SCLK: 1.6 U3.91 | length 68.8
  Top Layer w0.254: U3.91@34.373,62.528 34.373,54.714 35.62,53.467 51.181,53.467 v1(51.435,53.213) ccw(c50.822,52.6) 50.822,53.467 ; 50.209,53.467 cw(c50.209,51.987) v1@51.255,53.033
  Bottom Layer w0.254: v1(51.435,53.213) 51.435,27.94 52.197,27.178 53.721,27.178 54.226,26.673 1.6@54.226,23.412 ; 51.435,52.6 cw(c52.048,52.6) 51.615,53.033 ccw(c52.048,52.6) 51.435,52.6 ; 51.435,52.6 ccw(c50.822,52.6) 51.255,53.033 cw(c50.822,52.6) 51.435,52.6 ; 54.226,24.47 cw(c53.306,24.47) 53.957,23.819 ccw(c53.306,24.47) 54.226,24.47 ; 54.226,24.47 ccw(c55.146,24.47) 54.496,23.819 cw(c55.146,24.47) 54.226,24.47 ; 54.226,25.083 cw(c52.693,25.083) 53.777,23.999 ccw(c52.693,25.083) 54.226,25.083 ; 54.226,25.083 ccw(c55.759,25.083) 54.675,23.999 cw(c55.759,25.083) 54.226,25.083
LCD_SID: 1.5 U3.92 | length 71.3
  Top Layer w0.254: U3.92@34.873,62.528 34.873,54.789 35.56,54.102 v1(52.832,54.102) ; 52.219,54.102 cw(c52.219,53.489) 52.652,53.922 ccw(c52.219,53.489) 52.219,54.102 ; 52.219,54.102 ccw(c52.219,54.715) 52.652,54.282 cw(c52.219,54.715) 52.219,54.102
  Bottom Layer w0.254: v1(52.832,54.102) 52.832,29.21 53.594,28.448 56.007,28.448 56.766,27.689 1.5@56.766,23.412 ; 52.832,53.489 cw(c53.445,53.489) 53.012,53.922 ccw(c53.445,53.489) 52.832,53.489 ; 52.832,53.489 ccw(c52.219,53.489) 52.652,53.922 cw(c52.219,53.489) 52.832,53.489 ; 56.766,24.47 cw(c55.846,24.47) 56.497,23.819 ccw(c55.846,24.47) 56.766,24.47 ; 56.766,24.47 ccw(c57.686,24.47) 57.036,23.819 cw(c57.686,24.47) 56.766,24.47 ; 56.766,25.083 cw(c55.233,25.083) 56.317,23.999 ccw(c55.233,25.083) 56.766,25.083 ; 56.766,25.083 ccw(c58.299,25.083) 57.215,23.999 cw(c58.299,25.083) 56.766,25.083
NetC3_1: C3.1 CP1.1 D2.2 D4.2 LM1.1 | length 35
  Bottom Layer w1.27: LM1.1@76.77,66.359 84.136,66.359 85.406,67.629 85.406,76.519 82.993,78.932 CP1.1@82.993,79.461 D2.2@82.993,82.996 D4.2@82.993,87.949 ; 79.945,66.486 C3.1@79.945,68.01 ; CP1.1@82.993,78.146 cw(c82.993,76.249) 84.335,77.59 ccw(c82.993,76.249) CP1.1@82.993,78.146
NetC18_1: C18.1 U4.2 | length 4.7
  Top Layer w0.508: U4.2@27.178,42.799 C18.1@27.178,45.339 ; 27.178,44.24 cw(c28.531,44.24) 27.574,45.197 ccw(c28.531,44.24) 27.178,44.24
NetC19_1: C19.1 U4.3 | length 19.4
  Top Layer w0.508: C19.1@25.025,45.504 ccw(c25.86,45.243) 25.102,44.806 ; C19.1@25.047,45.098 cw(c24.701,43.805) 25.86,44.474 ; C19.1@25.146,45.466 25.908,44.704 U4.3@25.908,42.799 ; C19.1@25.51,45.352 ccw(c27.364,44.774) 25.682,43.802 ; C19.1@25.514,45.367 ccw(c25.998,45.238) C19.1@25.564,44.987 ; 25.545,44.06 ccw(c26.35,44.275) U4.3@25.933,43.554 ; 25.796,44.816 cw(c26.447,45.466) 25.527,45.466 ccw(c26.447,45.466) 25.796,44.816 ; 25.796,44.816 ccw(c25.146,44.165) 25.146,45.085 cw(c25.146,44.165) 25.796,44.816 ; C19.1@24.877,45.197 cw(c22.387,42.707) 25.908,42.707 ccw(c22.387,42.707) C19.1@24.877,45.197 ; C19.1@25.236,45.556 cw(c23.613,43.933) 25.908,43.933 ccw(c23.613,43.933) C19.1@25.236,45.556
NetC19_2: C19.2 U4.1 | length 14.7
  Top Layer w0.508: C19.2@25.146,47.752 25.146,46.863 ; U4.1@28.448,42.799 28.397,42.85 28.397,46.29 28.129,46.558 25.451,46.558 ; 25.146,46.863 cw(c25.993,46.863) 25.409,47.476 ccw(c25.993,46.863) 25.146,46.863 ; 25.146,46.863 ccw(c24.299,46.863) 24.883,47.476 cw(c24.299,46.863) 25.146,46.863 ; 25.146,46.863 25.451,46.558 ; 25.451,46.558 cw(c25.932,47.039) 25.428,47.496 ccw(c25.932,47.039) 25.451,46.558 ; C19.2@25.052,47.837 ccw(c25.536,47.398) 25.074,46.935 cw(c25.536,47.398) C19.2@25.052,47.837
NetC20_1: C20.1 U4.5 | length 8.8
  Top Layer w0.508: C20.1@22.987,45.466 22.987,45.212 23.368,44.831 U4.5@23.368,42.799 ; 23.186,44.385 cw(c23.8,44.74) C20.1@23.271,45.212 ; C20.1@22.718,45.197 cw(c21.147,43.626) 23.368,43.626 ccw(c21.147,43.626) C20.1@22.718,45.197 ; C20.1@23.077,45.556 cw(c22.374,44.853) 23.368,44.853 ccw(c22.374,44.853) C20.1@23.077,45.556
NetC20_2: C20.2 U4.4 | length 11.7
  Top Layer w0.381: C20.2@23.419,47.752 24.016,47.155 ; 24.391,44.006 ccw(c25.022,44.175) U4.4@24.695,43.609 ; U4.4@24.638,42.799 24.638,43.955 24.016,44.577 24.016,47.155 ; 24.016,47.155 ccw(c23.442,46.581) 23.148,47.338 cw(c23.442,46.581) 24.016,47.155 ; C20.2@23.01,47.693 cw(c23.211,47.176) 23.603,47.568 ccw(c23.211,47.176) C20.2@23.01,47.693 ; 24.129,44.464 cw(c23.175,43.51) 24.524,43.51 ccw(c23.175,43.51) 24.129,44.464
  Top Layer w0.508: C20.2@22.987,47.752 C20.2@23.419,47.752
NetC21_1: C21.1 U4.6 | length 8.4
  Top Layer w0.508: C21.1@20.828,45.466 20.828,45.339 22.098,44.069 U4.6@22.098,42.799 ; C21.1@20.828,45.085 cw(c20.828,44.472) 21.262,44.905 ccw(c20.828,44.472) C21.1@20.828,45.085 ; C21.1@21.209,45.466 ccw(c22.435,45.466) 21.568,44.599 cw(c22.435,45.466) C21.1@21.209,45.466 ; 21.616,44.551 cw(c20.575,43.51) 22.047,43.51 ccw(c20.575,43.51) 21.616,44.551
NetD1_2: D1.2 D2.1 S1.1A | length 17.3
  Bottom Layer w1.27: D1.2@74.738,82.996 D2.1@78.548,82.996 80.072,82.996 81.093,84.017 81.093,91.371 81.924,92.202 S1.1A@83.947,92.202
NetD3_2: D3.2 D4.1 S1.1B | length 17.9
  Bottom Layer w1.27: D3.2@74.738,87.949 D4.1@78.548,87.949 78.548,96.201 79.629,97.282 S1.1B@83.947,97.282
NetD5_2: D5.2 L1.1 LM1.2 | length 38.4
  Bottom Layer w1.27: D5.2@66.04,54.356 73.533,54.356 74.847,55.67 74.847,58.674 ; LM1.2@74.847,66.359 74.847,58.674 ; L1.1@82.296,58.674 74.847,58.674 ; 79.604,58.674 cw(c79.604,55.982) 81.508,57.886 ccw(c79.604,55.982) 79.604,58.674 ; 79.604,58.674 ccw(c79.604,61.366) 81.508,59.462 cw(c79.604,61.366) 79.604,58.674 ; D5.2@67.019,54.812 ccw(c68.119,55.912) 68.119,54.356 cw(c68.119,55.912) D5.2@67.019,54.812
NetD6_1: D6.1 R6.2
  other v1: 97.79,73.787
NetD7_1: D7.1 R7.2
  other v4: 97.917,64.008
NetD8_1: D8.1 R8.2
  other v4: 97.917,69.088
NetJ1_6: J1.6 U4.8 | length 12.6
  Top Layer w0.508: J1.6@14.303,45.938 19.086,45.938 19.558,45.466 U4.8@19.558,42.799 ; 15.73,45.938 cw(c15.73,47.365) 14.721,46.356 ccw(c15.73,47.365) 15.73,45.938 ; 15.73,45.938 ccw(c15.73,44.511) 14.721,45.52 cw(c15.73,44.511) 15.73,45.938
NetJ1_7: J1.7 U4.7 | length 12.9
  Bottom Layer w0.508: J1.7@14.303,43.168 v3(20.816,43.168) ; 15.73,43.168 cw(c15.73,44.595) 14.721,43.586 ccw(c15.73,44.595) 15.73,43.168 ; 15.73,43.168 ccw(c15.73,41.741) 14.721,42.75 cw(c15.73,41.741) 15.73,43.168 ; 20.203,43.168 cw(c20.203,42.555) 20.636,42.988 ccw(c20.203,42.555) 20.203,43.168 ; 20.203,43.168 ccw(c20.203,43.781) 20.636,43.348 cw(c20.203,43.781) 20.203,43.168
NetP1_1: P1.1 S1.2B | length 28.7
  Bottom Layer w1.27: S1.2B@85.979,97.282 85.979,95.123 86.487,94.615 88.9,94.615 89.789,93.726 89.789,82.169 90.74,81.218 P1.1@96.458,81.218 ; 95.336,81.218 cw(c95.336,80.096) 96.129,80.889 ccw(c95.336,80.096) 95.336,81.218 ; 95.336,81.218 ccw(c95.336,82.341) 96.129,81.547 cw(c95.336,82.341) 95.336,81.218
NetP1_2: P1.2 S1.2A | length 26.6
  Bottom Layer w1.27: S1.2A@85.979,92.202 85.979,78.613 87.249,77.343 P1.2@96.393,77.343 ; 95.178,77.343 ccw(c95.178,78.688) 96.129,77.737 cw(c95.178,78.688) 95.178,77.343
NetP2_1: P2.1 R1.1 R2.2 U2.7 | length 32.9
  Top Layer w0.508: P2.1@6.709,18.335 7.747,17.297 13.564,17.297 14.097,16.764 U2.7@14.097,15.748 14.097,11.303 14.605,10.795 R1.1@17.018,10.795 ; 14.248,11.972 ccw(c13.126,12.619) R2.2@14.363,13.005 ; 14.248,14.444 cw(c13.126,13.797) R2.2@14.363,13.411 ; 16.278,10.795 cw(c16.278,10.182) 16.711,10.615 ccw(c16.278,10.182) 16.278,10.795 ; 16.278,10.795 ccw(c16.278,11.408) 16.711,10.975 cw(c16.278,11.408) 16.278,10.795 ; 13.795,17.066 cw(c13.188,16.459) 14.046,16.459 ccw(c13.188,16.459) 13.795,17.066 ; 14.097,11.241 cw(c16.445,11.241) 14.785,12.901 ccw(c16.445,11.241) 14.097,11.241 ; 14.097,12.468 cw(c15.218,12.468) 14.425,13.261 ccw(c15.218,12.468) 14.097,12.468 ; 14.097,13.948 ccw(c15.218,13.948) 14.425,13.155 cw(c15.218,13.948) 14.097,13.948 ; U2.7@14.097,15.175 ccw(c16.445,15.175) 14.785,13.515 cw(c16.445,15.175) U2.7@14.097,15.175
NetP2_2: P2.2 R2.1 R3.2 U2.6 | length 32.2
  Top Layer w0.508: P2.2@6.651,15.795 7.7,15.795 8.128,15.367 8.128,11.303 8.636,10.795 R3.2@9.906,10.795 12.319,10.795 12.827,11.303 U2.6@12.827,15.748 ; R2.1@12.561,13.005 ccw(c13.798,12.619) 12.676,11.972 ; R2.1@12.561,13.411 cw(c13.798,13.797) 12.676,14.444 ; 9.166,10.795 cw(c9.166,10.182) 9.599,10.615 ccw(c9.166,10.182) 9.166,10.795 ; 9.166,10.795 ccw(c9.166,11.408) 9.599,10.975 cw(c9.166,11.408) 9.166,10.795 ; 10.646,10.795 cw(c10.646,11.408) 10.213,10.975 ccw(c10.646,11.408) 10.646,10.795 ; 10.646,10.795 ccw(c10.646,10.182) 10.213,10.615 cw(c10.646,10.182) 10.646,10.795 ; R2.1@12.139,12.901 cw(c10.479,11.241) 12.827,11.241 ccw(c10.479,11.241) R2.1@12.139,12.901 ; R2.1@12.139,13.515 ccw(c10.479,15.175) 12.827,15.175 cw(c10.479,15.175) R2.1@12.139,13.515 ; R2.1@12.499,13.155 ccw(c11.706,13.948) 12.827,13.948 cw(c11.706,13.948) R2.1@12.499,13.155 ; R2.1@12.499,13.261 cw(c11.706,12.468) 12.827,12.468 ccw(c11.706,12.468) R2.1@12.499,13.261
NetR13_2: R13.2 R16.2 | length 60.6
  Top Layer w0.254: v3@35.433,52.324 v3(35.814,52.324) R16.2@40.386,52.324 ; v3@36.083,52.055 cw(c36.734,51.404) 36.734,52.324 cw(c36.734,53.244) v3@36.083,52.593 ; R16.2@40.117,52.055 ccw(c39.466,51.404) 39.466,52.324 ccw(c39.466,53.244) R16.2@40.117,52.593
  Bottom Layer w0.254: R13.2@4.801,36.576 ccw(c3.206,36.576) 4.334,37.703 ccw(c5.461,38.831) R13.2@5.461,37.236 ; R13.2@5.055,36.576 ccw(c4.073,36.576) 4.767,37.27 ccw(c5.461,37.964) R13.2@5.461,36.982 ; R13.2@5.461,36.576 3.988,38.049 3.988,50.724 4.883,51.619 16.85,51.619 17.555,52.324 v3(35.814,52.324) ; v3@35.545,52.055 ccw(c34.894,51.404) 34.894,52.324 ccw(c34.894,53.244) v3@35.545,52.593
NetR14_2: R14.2 R17.2 | length 60.1
  Top Layer w0.254: v3(36.703,51.41) 46.076,51.41 R17.2@46.101,51.435 ; v3@36.972,51.14 cw(c37.623,50.49) 37.623,51.41 cw(c37.623,52.329) v3@36.972,51.679 ; 45.12,51.41 ccw(c45.12,52.416) R17.2@45.832,51.704 ; 45.243,51.41 cw(c45.243,50.577) R17.2@45.832,51.166
  Bottom Layer w0.254: R14.2@4.801,41.428 ccw(c3.409,41.484) 4.394,42.469 ; R14.2@5.055,41.418 ccw(c4.198,41.452) 4.805,42.058 ccw(c5.411,42.665) R14.2@5.445,41.808 ; R14.2@5.435,42.062 cw(c5.379,43.454) 4.394,42.469 ; R14.2@5.461,41.402 4.394,42.469 ; 35.307,51.212 ccw(c35.307,52.806) v3@36.434,51.679 ; 35.92,51.212 ccw(c35.92,52.193) v3@36.613,51.499 ; v3(36.703,51.41) 36.506,51.212 5.365,51.212 4.394,50.241 4.394,42.469
NetR15_2: R15.2 R18.2 | length 58.2
  Top Layer w0.254: v3(37.719,50.546) 45.452,50.546 45.477,50.521 51.41,50.521 R18.2@51.435,50.546 ; v3@37.988,50.277 cw(c38.639,49.626) 38.639,50.546 cw(c38.639,51.466) v3@37.988,50.815 ; 50.454,50.521 ccw(c50.454,51.527) R18.2@51.166,50.815 ; 50.577,50.521 cw(c50.577,49.688) R18.2@51.166,50.277
  Bottom Layer w0.254: R15.2@4.994,46.822 ccw(c3.867,47.949) 5.461,47.949 ccw(c7.055,47.949) R15.2@5.928,46.822 ; R15.2@5.174,46.642 ccw(c4.48,47.336) 5.461,47.336 ccw(c6.442,47.336) R15.2@5.748,46.642 ; R15.2@5.461,46.355 5.461,49.911 6.071,50.521 37.694,50.521 v3(37.719,50.546) ; 36.738,50.521 ccw(c36.738,51.527) v3@37.45,50.815 ; 36.861,50.521 cw(c36.861,49.688) v3@37.45,50.277
NRST: C14.2 P7.15 R5.1 S2.1 U3.14 | length 180
  Top Layer w0.254: U3.14@40.473,70.628 42.561,70.628 44.729,72.796 v3(58.039,72.796) ; v3@67.287,72.771 ccw(c67.839,72.884) 67.693,72.34 ; v3(67.412,72.796) 68.453,71.755 68.453,58.547 69.342,57.658 96.774,57.658 97.282,57.15 97.282,34.925 ; v3@67.437,72.921 cw(c67.324,72.369) 67.868,72.515 ; P7.15@93.98,34.925 97.282,34.925 ; C14.2@97.282,18.542 97.282,34.925 ; 57.119,72.796 cw(c57.119,71.877) 57.77,72.527 ccw(c57.119,71.877) 57.119,72.796 ; 57.119,72.796 ccw(c57.119,73.716) 57.77,73.066 cw(c57.119,73.716) 57.119,72.796 ; 68.062,72.146 cw(c68.712,72.796) 67.793,72.796 ccw(c68.712,72.796) 68.062,72.146 ; 68.062,72.146 ccw(c67.412,71.496) 67.412,72.415 cw(c67.412,71.496) 68.062,72.146 ; 94.937,34.925 cw(c94.937,35.692) 94.395,35.15 ccw(c94.937,35.692) 94.937,34.925 ; 94.937,34.925 ccw(c94.937,34.158) 94.395,34.7 cw(c94.937,34.158) 94.937,34.925 ; 95.55,34.925 cw(c95.55,36.305) 94.575,35.329 ccw(c95.55,36.305) 95.55,34.925 ; 95.55,34.925 ccw(c95.55,33.545) 94.575,34.521 cw(c95.55,33.545) 95.55,34.925 ; 97.282,19.768 cw(c96.056,19.768) 96.923,18.901 ccw(c96.056,19.768) 97.282,19.768 ; 97.282,19.768 ccw(c98.508,19.768) 97.641,18.901 cw(c98.508,19.768) 97.282,19.768
  Top Layer w0.508: R5.1@85.979,18.542 94.908,18.542 S2.1@94.944,18.506 C14.2@96.81,18.506 ; R5.1@86.566,18.402 ccw(c86.771,19.025) 87.235,18.562 ; R5.1@86.603,18.387 ccw(c86.985,19.128) 87.402,18.406 ; S2.1@87.871,18.805 cw(c87.071,19.222) 87.305,18.35 cw(c87.453,17.798) S2.1@87.918,18.13 ; R5.1@86.707,18.034 cw(c87.956,17.313) S2.1@87.582,18.706 ; R5.1@86.707,18.034 cw(c87.956,17.313) S2.1@87.582,18.706 ; R5.1@86.707,18.034 cw(c87.956,17.313) S2.1@87.582,18.706 ; 96.504,18.506 cw(c96.504,20.066) 95.401,18.963 ccw(c96.504,20.066) 96.504,18.506 ; 96.504,18.506 ccw(c96.504,16.946) 95.401,18.049 cw(c96.504,16.946) 96.504,18.506 ; R5.1@86.667,17.981 cw(c88.02,16.628) 88.02,18.542 ccw(c88.02,16.628) R5.1@86.667,17.981 ; R5.1@86.798,18.542 cw(c86.798,16.86) 87.987,18.049 ccw(c86.798,16.86) R5.1@86.798,18.542 ; R5.1@86.971,18.542 ccw(c86.971,19.979) 87.987,18.963 cw(c86.971,19.979) R5.1@86.971,18.542 ; S2.1@88.901,18.049 cw(c90.09,16.86) 90.09,18.542 ccw(c90.09,16.86) S2.1@88.901,18.049 ; S2.1@88.901,18.963 ccw(c89.917,19.979) 89.917,18.542 cw(c89.917,19.979) S2.1@88.901,18.963 ; 93.298,18.542 cw(c93.298,16.86) 94.487,18.049 ccw(c93.298,16.86) 93.298,18.542 ; 93.471,18.542 ccw(c93.471,19.979) 94.487,18.963 cw(c93.471,19.979) 93.471,18.542 ; 96.275,18.506 ccw(c96.275,19.549) 97.013,18.811 cw(c96.275,19.549) 96.275,18.506 ; 96.449,18.506 cw(c96.449,17.709) 97.013,18.273 ccw(c96.449,17.709) 96.449,18.506
  Bottom Layer w0.254: v3(58.039,72.796) v3(67.412,72.796) ; 58.959,72.796 cw(c58.959,73.716) 58.308,73.066 ccw(c58.959,73.716) 58.959,72.796 ; 58.959,72.796 ccw(c58.959,71.877) 58.308,72.527 cw(c58.959,71.877) 58.959,72.796 ; 66.492,72.796 cw(c66.492,71.877) 67.142,72.527 ccw(c66.492,71.877) 66.492,72.796 ; 66.492,72.796 ccw(c66.492,73.716) 67.142,73.066 cw(c66.492,73.716) 66.492,72.796
OSC32_IN: C1.2 U3.8 Y1.2 | length 28.9
  Top Layer w0.254: U3.8@40.473,67.628 44.259,67.628 44.704,67.183 ; Y1.2@44.704,65.659 44.704,67.183 ; 44.704,66.597 cw(c43.825,66.597) 44.426,65.956 ccw(c43.825,66.597) 44.704,66.597 ; 44.704,66.597 ccw(c45.583,66.597) 44.982,65.956 cw(c45.583,66.597) 44.704,66.597 ; 44.704,67.183 cw(c43.276,67.183) 44.252,66.141 ccw(c43.276,67.183) 44.704,67.183 ; 44.704,67.183 ccw(c46.132,67.183) 45.156,66.141 cw(c46.132,67.183) 44.704,67.183
  Bottom Layer w0.254: Y1.2@44.704,65.659 46.482,65.659 ; 45.685,65.659 cw(c45.685,66.64) 44.991,65.946 ccw(c45.685,66.64) 45.685,65.659 ; 45.685,65.659 ccw(c45.685,64.678) 44.991,65.372 cw(c45.685,64.678) 45.685,65.659 ; 46.298,65.659 cw(c46.298,67.253) 45.171,66.126 ccw(c46.298,67.253) 46.298,65.659 ; 46.298,65.659 ccw(c46.298,64.065) 45.171,65.192 cw(c46.298,64.065) 46.298,65.659 ; 46.482,65.659 ccw(c46.142,65.999) 46.493,66.327 cw(c46.142,65.999) 46.482,65.659 ; 46.482,65.659 46.863,66.04 C1.2@46.863,66.675 ; C1.2@46.863,66.675 cw(c46.525,66.358) 46.853,66.03 ccw(c46.525,66.358) C1.2@46.863,66.675 ; 46.667,65.844 ccw(c46.334,66.178) 46.678,66.501 cw(c46.334,66.178) 46.667,65.844